# Altium PCB Main.PcbDoc (part 1 of 3)
Units mm, origin at the board's own origin, x right, y up, seen from the top; angles counter-clockwise.
Board outline 75 x 150 mm, 4 copper layers (SIG1, GND1, GND2, SIG2), stack 1.602 mm thick; 218 components, 159 nets, 788 pads, 864 vias.
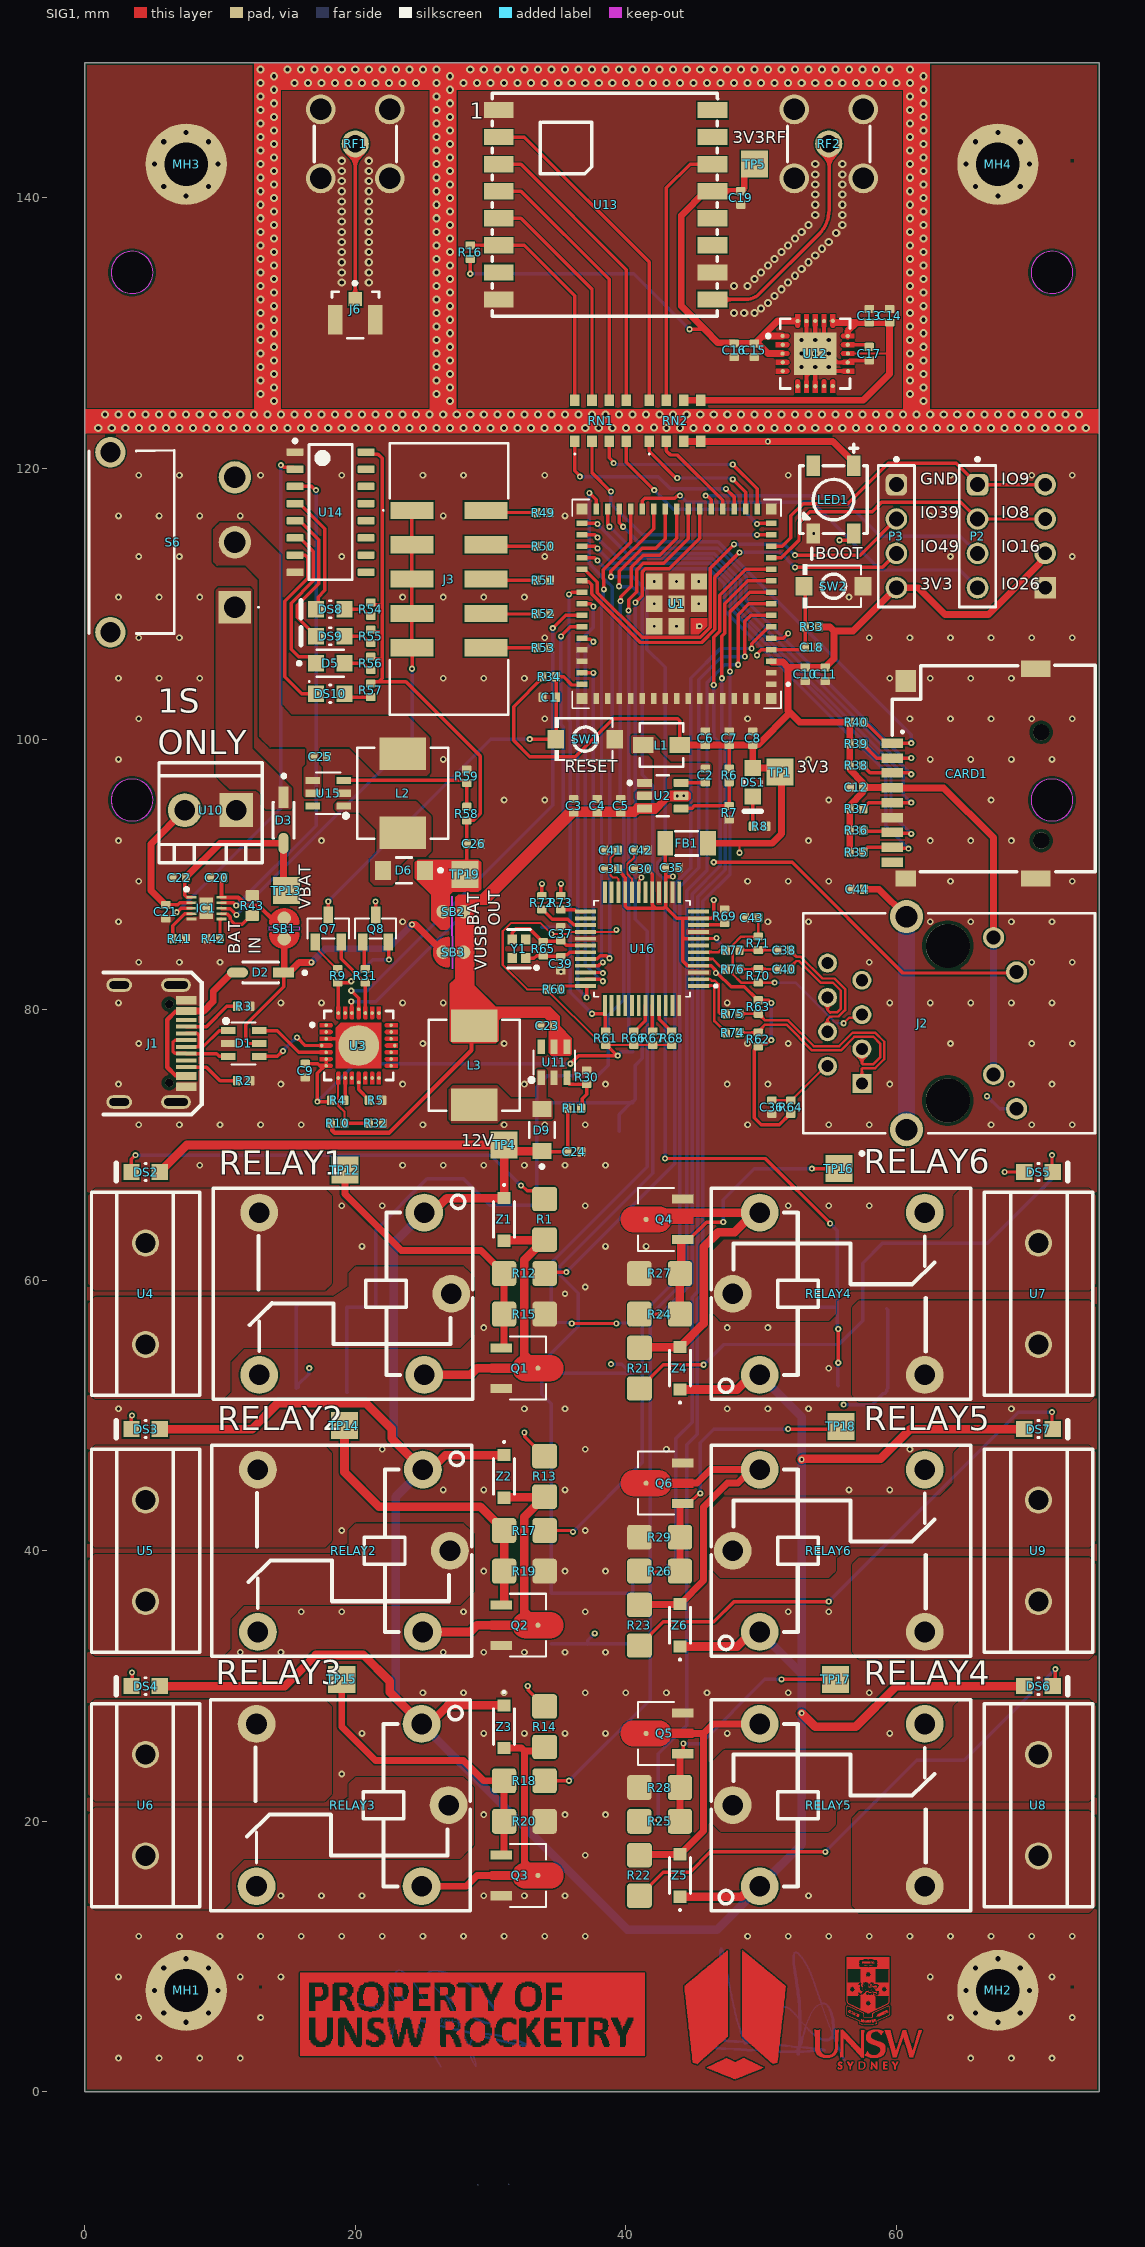
[diagram p0: SIG1 view]
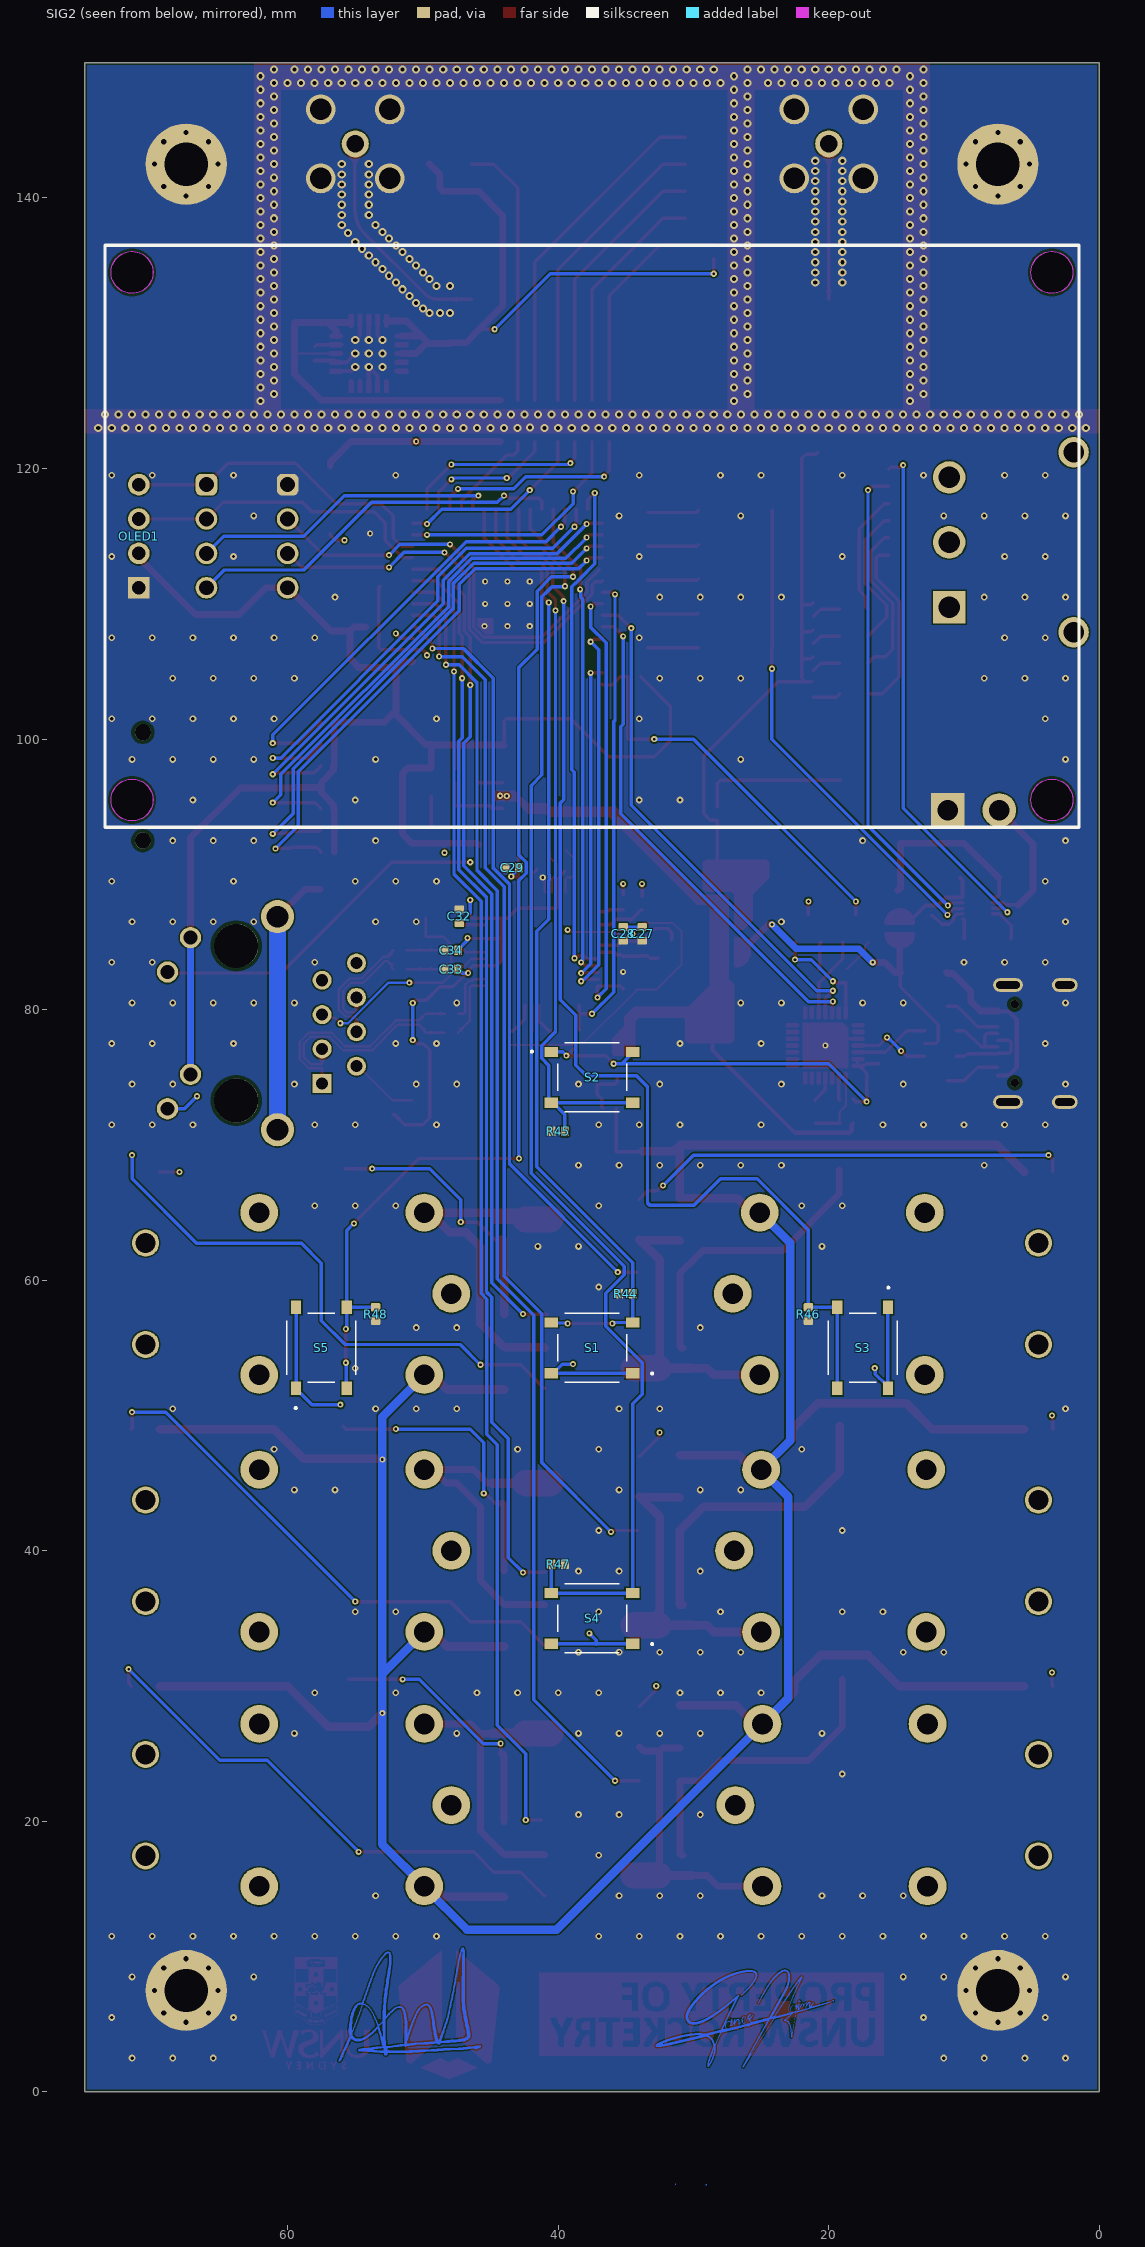
[diagram p1: SIG2 view, seen from below]
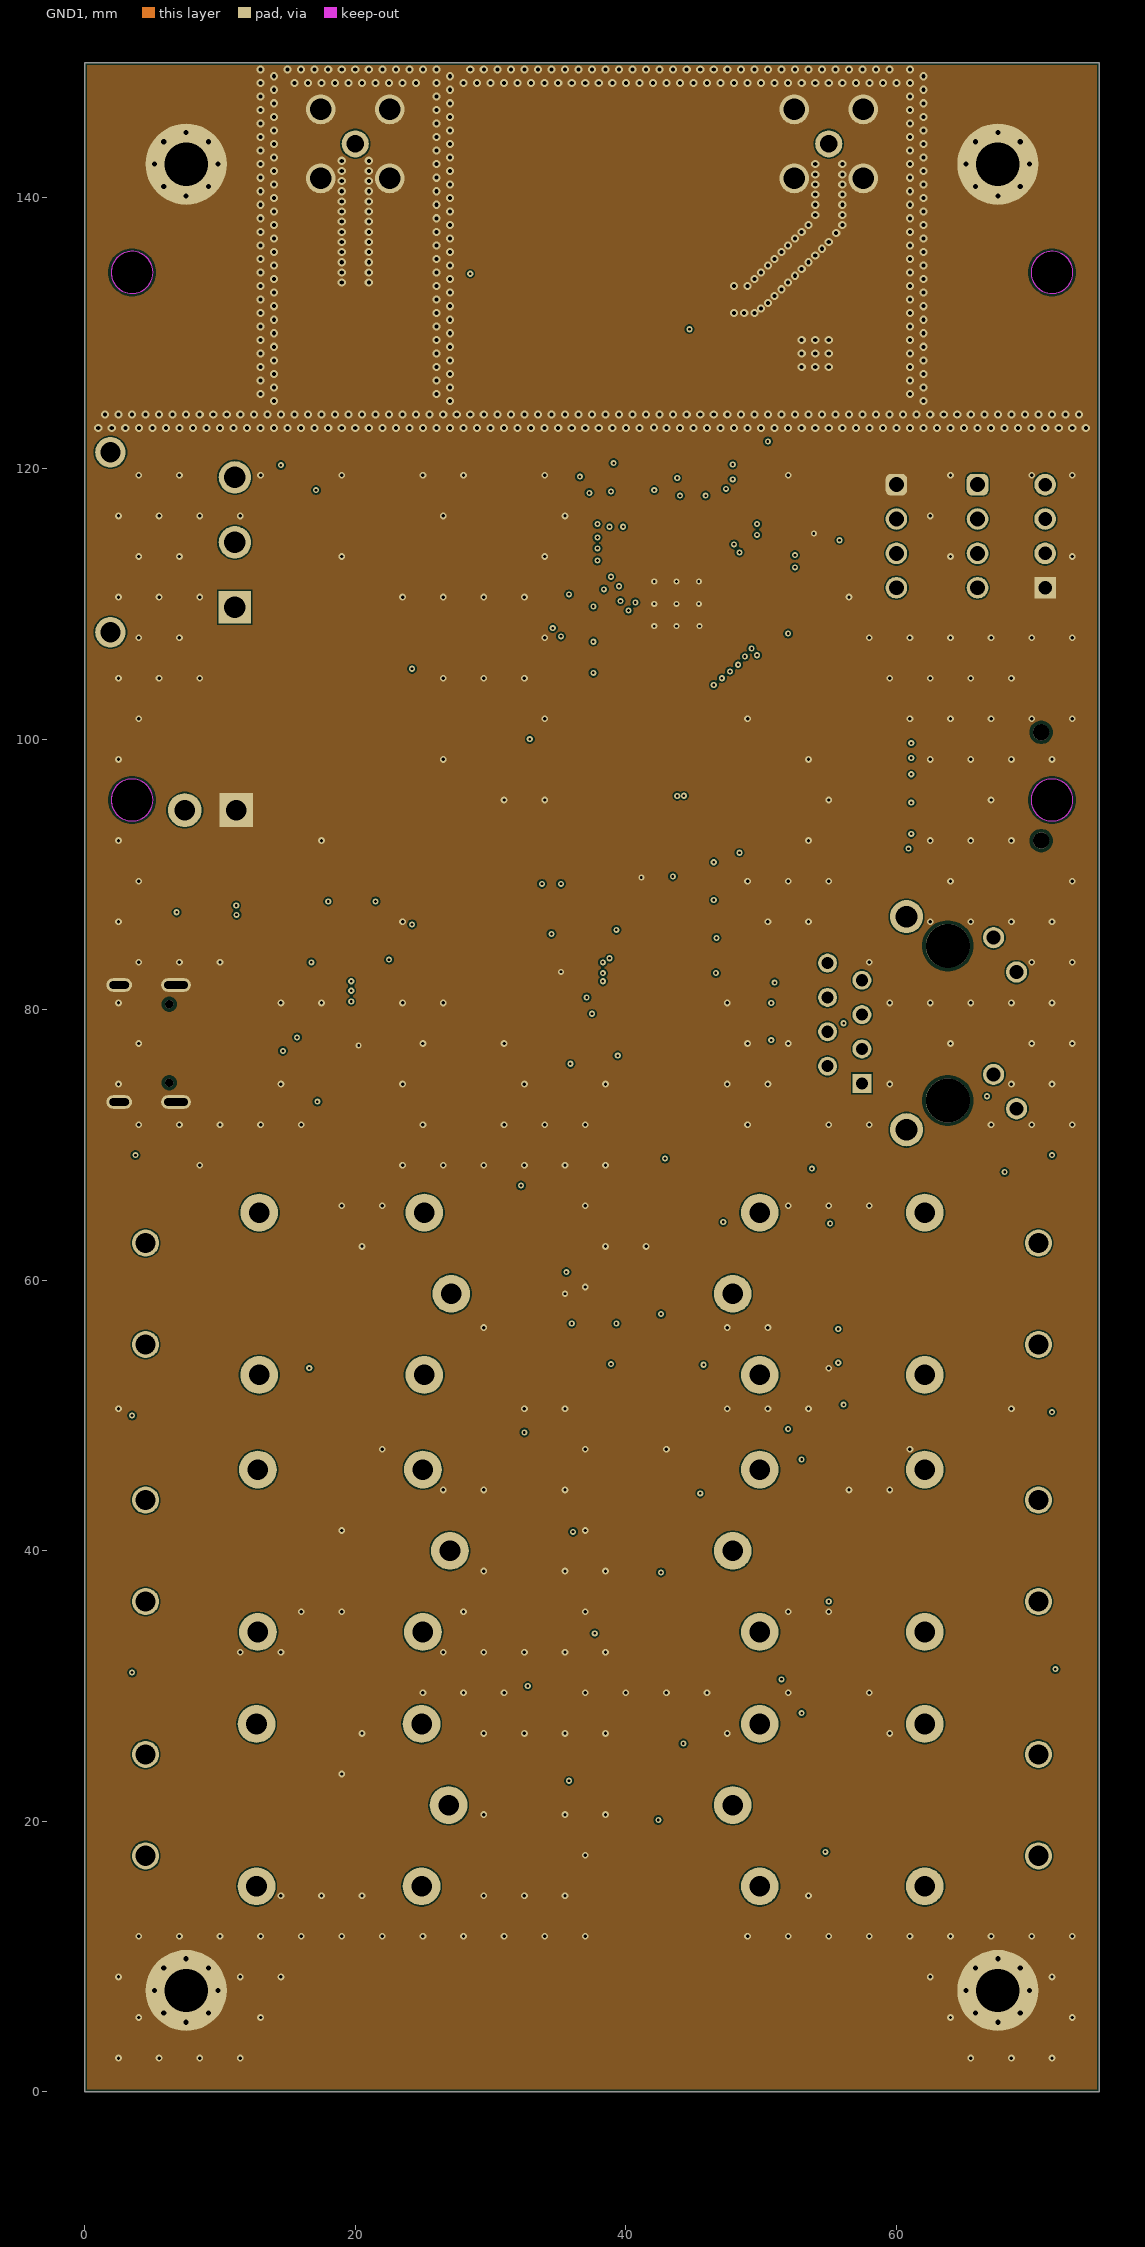
[diagram p2: GND1]
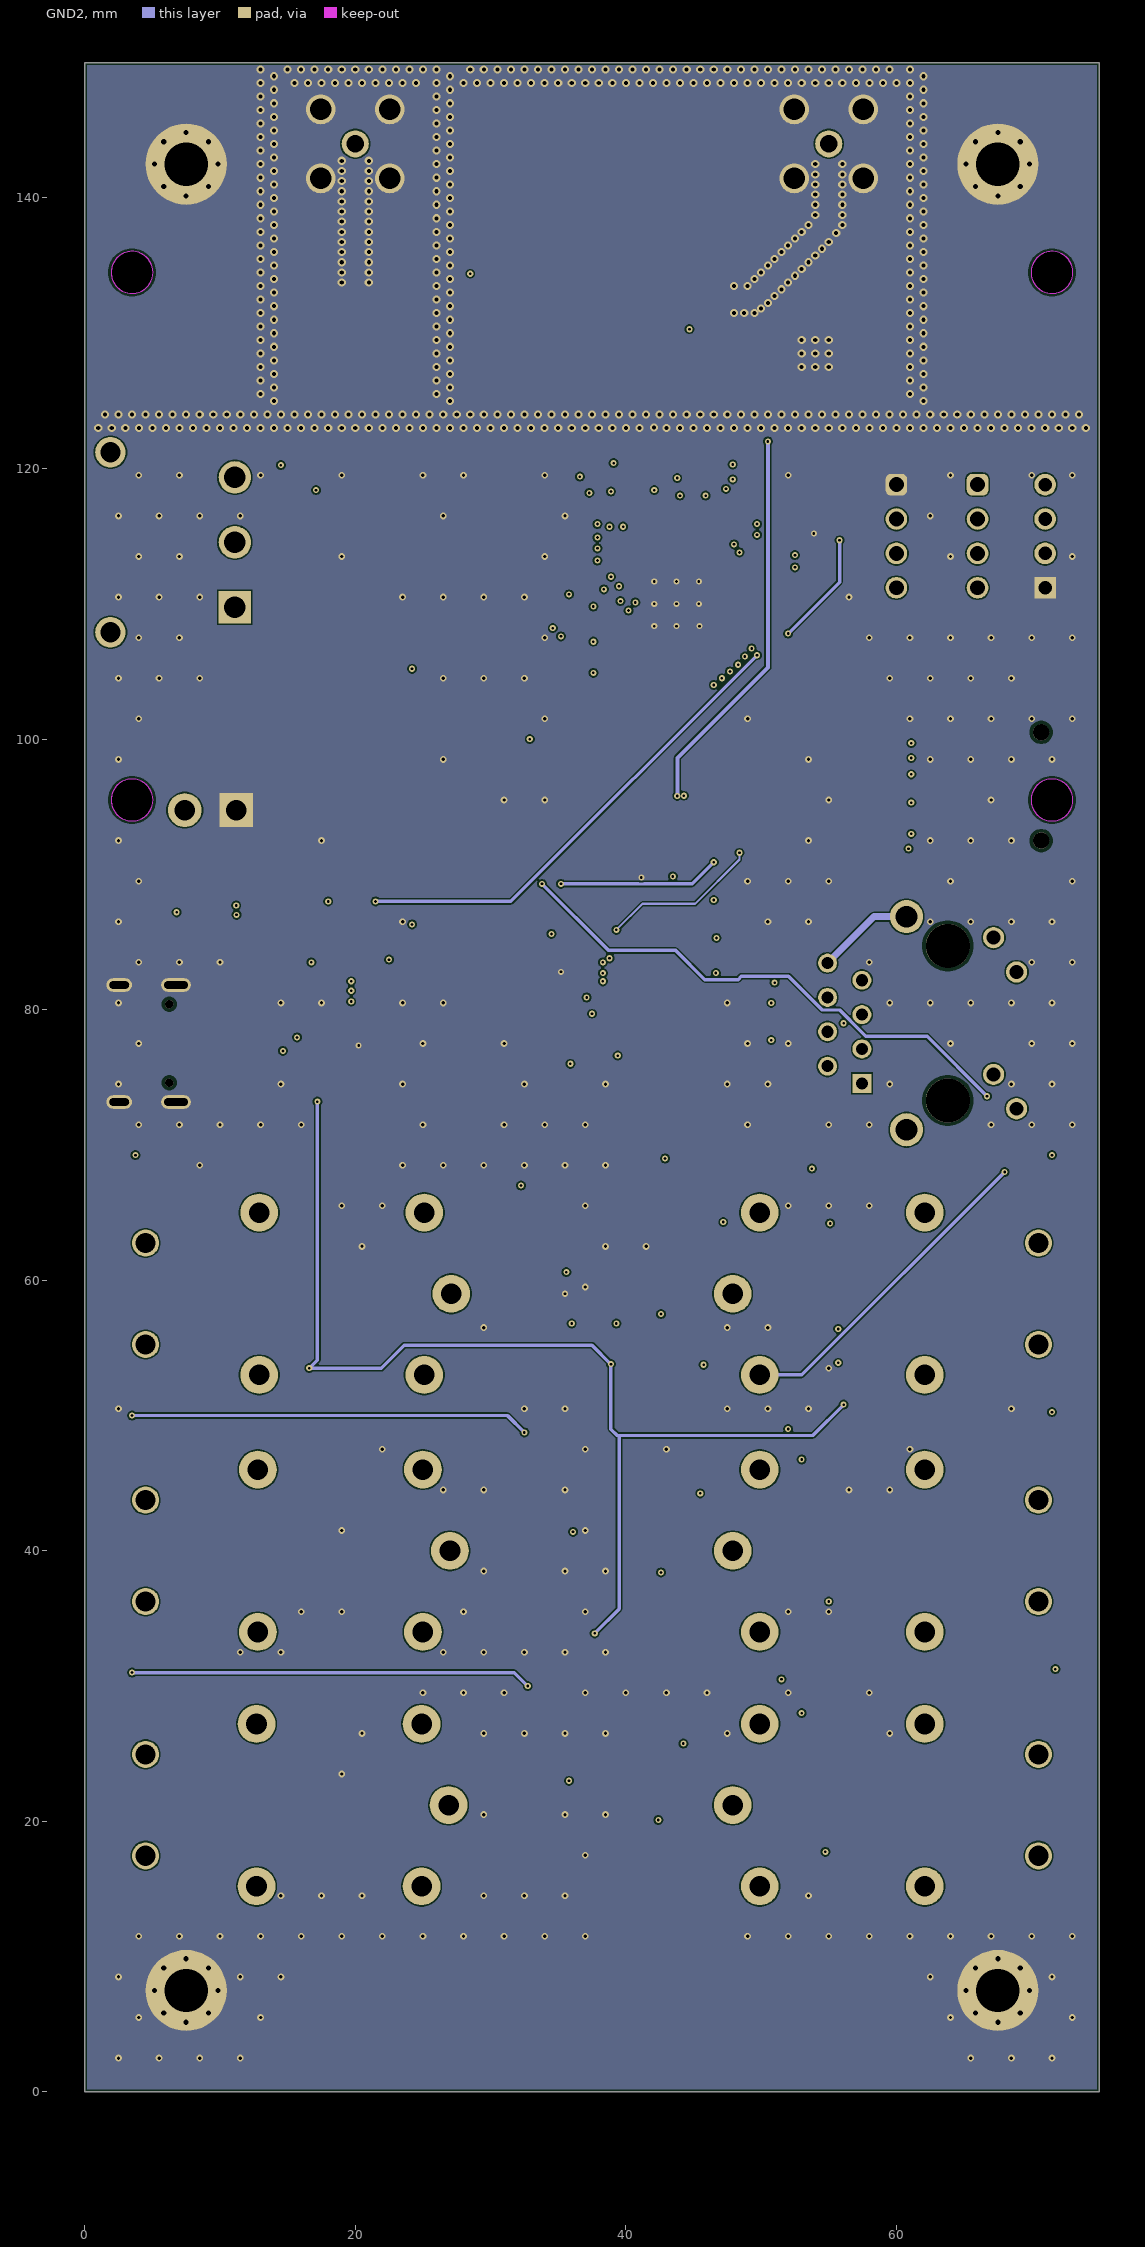
[diagram p3: GND2]
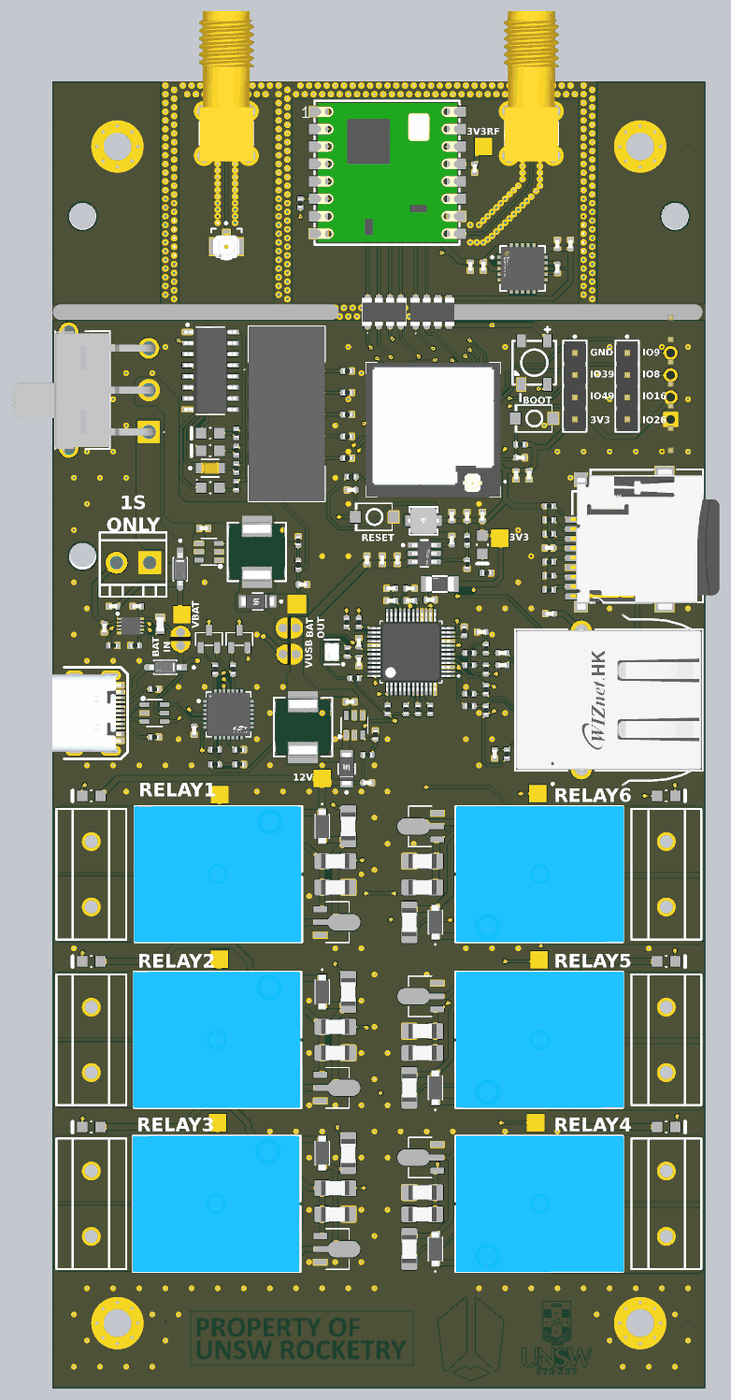
[diagram p6: 3D render of the assembled board from above, using the file's embedded part models]
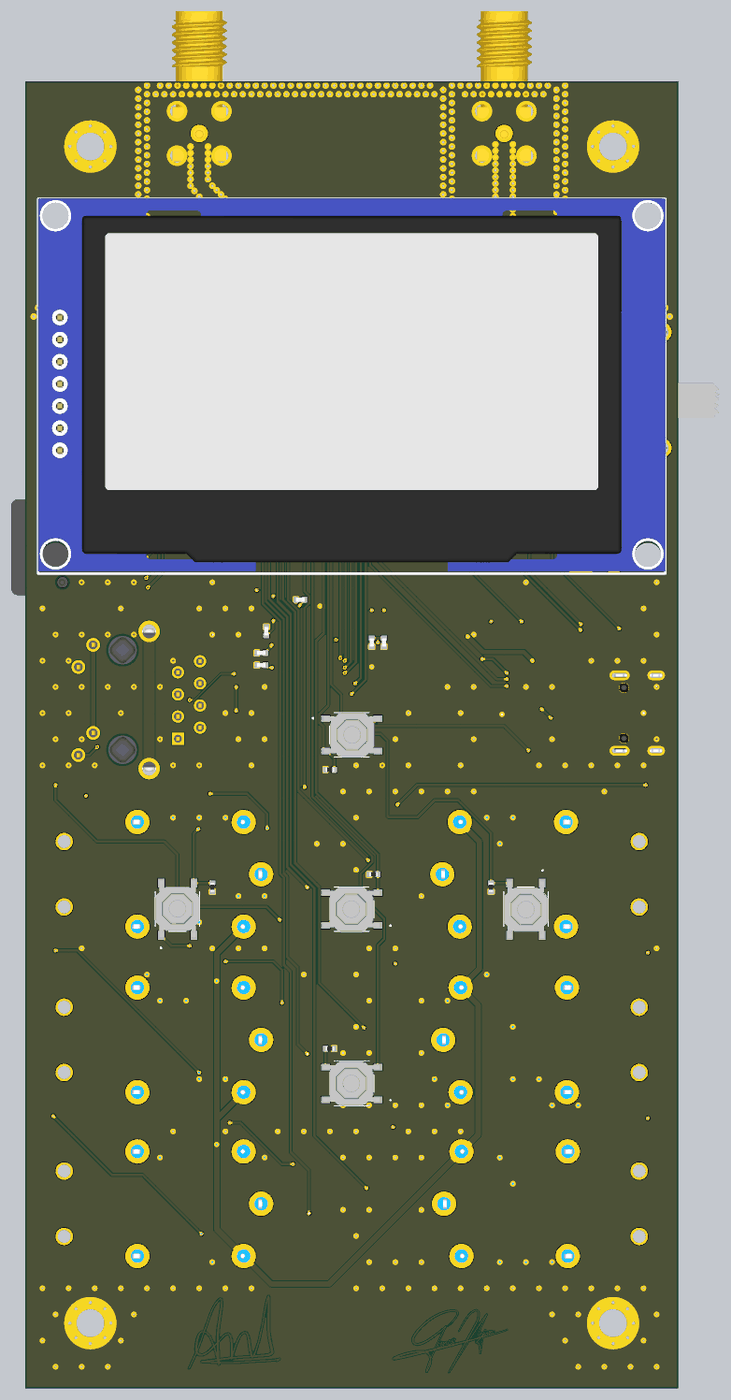
[diagram p7: 3D render of the assembled board from below, using the file's embedded part models]

## Layer stack, top to bottom
Top Solder: solder mask 0.0102, Solder Resist, Dk 3.5
SIG1: signal copper 0.035
Dielectric 2: prepreg 0.2184, PP-023, Dk 4.5
GND1: signal copper 0.0152
Dielectric 1: core 1.065, Core-025, Dk 4.6
GND2: signal copper 0.0152
Dielectric 3: prepreg 0.2184, PP-023, Dk 4.5
SIG2: signal copper 0.035
Bottom Solder: solder mask 0.0102, Solder Resist, Dk 3.5

## Board outline
0,0 75,0 75,150 0,150

## Design rules (kind name [scope] priority, off if disabled: settings)
BoardOutlineClearance [All] p1: gap=0.2 ignorepadtopadclearanceinfootprint=FALSE
Clearance [All] p1: gap=0.102 ignorepadtopadclearanceinfootprint=TRUE except(0: THPad-Via Via-Via Via-Text Via-Hole Fill-Text Region-Region Region-Text Text-Hole; 0.25: Arc-Hole Track-Hole SMDPad-Hole THPad-Hole Fill-Hole Poly-Hole Region-Hole)
ComponentClearance [All] p1: gap=0.102 collisioncheckmode=3 verticalgap=0.102 showdistances=TRUE
DiffPairsRouting EthernetDiffPairsRouting [InDifferentialPair('RX3_D')] p1: maxlimit=0.127 minlimit=0.127 mostfreqgap=0.127 toplayer_minwidth=0.1 toplayer_maxwidth=0.179 toplayer_prefwidth=0.149 midlayer3_minwidth=0.09 midlayer3_maxwidth=0.109 midlayer3_prefwidth=0.091 midlayer4_minwidth=0.09 midlayer4_maxwidth=0.109 midlayer4_prefwidth=0.091 bottomlayer_minwidth=0.1 bottomlayer_maxwidth=0.179 bottomlayer_prefwidth=0.149 impedanceprofiledriven=TRUE impedanceprofileid={46EFF747-144C-4CC2-810A-F8A5687EFA3B} impedanceprofilevalue=100.000000 maxuncoupledlength=12.7
DiffPairsRouting EthernetDiffPairsRouting_4 [InDifferentialPair('RX2_D')] p2: maxlimit=0.127 minlimit=0.127 mostfreqgap=0.127 toplayer_minwidth=0.1 toplayer_maxwidth=0.179 toplayer_prefwidth=0.149 midlayer3_minwidth=0.09 midlayer3_maxwidth=0.109 midlayer3_prefwidth=0.091 midlayer4_minwidth=0.09 midlayer4_maxwidth=0.109 midlayer4_prefwidth=0.091 bottomlayer_minwidth=0.1 bottomlayer_maxwidth=0.179 bottomlayer_prefwidth=0.149 impedanceprofiledriven=TRUE impedanceprofileid={46EFF747-144C-4CC2-810A-F8A5687EFA3B} impedanceprofilevalue=100.000000 maxuncoupledlength=12.7
DiffPairsRouting EthernetDiffPairsRouting_3 [InDifferentialPair('RX_D')] p3: maxlimit=0.127 minlimit=0.127 mostfreqgap=0.127 toplayer_minwidth=0.1 toplayer_maxwidth=0.179 toplayer_prefwidth=0.149 midlayer3_minwidth=0.09 midlayer3_maxwidth=0.109 midlayer3_prefwidth=0.091 midlayer4_minwidth=0.09 midlayer4_maxwidth=0.109 midlayer4_prefwidth=0.091 bottomlayer_minwidth=0.1 bottomlayer_maxwidth=0.179 bottomlayer_prefwidth=0.149 impedanceprofiledriven=TRUE impedanceprofileid={46EFF747-144C-4CC2-810A-F8A5687EFA3B} impedanceprofilevalue=100.000000 maxuncoupledlength=12.7
DiffPairsRouting EthernetDiffPairsRouting_2 [InDifferentialPair('TX2_D')] p4: maxlimit=0.127 minlimit=0.127 mostfreqgap=0.127 toplayer_minwidth=0.1 toplayer_maxwidth=0.179 toplayer_prefwidth=0.149 midlayer3_minwidth=0.09 midlayer3_maxwidth=0.109 midlayer3_prefwidth=0.091 midlayer4_minwidth=0.09 midlayer4_maxwidth=0.109 midlayer4_prefwidth=0.091 bottomlayer_minwidth=0.1 bottomlayer_maxwidth=0.179 bottomlayer_prefwidth=0.149 impedanceprofiledriven=TRUE impedanceprofileid={46EFF747-144C-4CC2-810A-F8A5687EFA3B} impedanceprofilevalue=100.000000 maxuncoupledlength=12.7
DiffPairsRouting EthernetDiffPairsRouting_1 [InDifferentialPair('TX_D')] p5: maxlimit=0.127 minlimit=0.127 mostfreqgap=0.127 toplayer_minwidth=0.1 toplayer_maxwidth=0.179 toplayer_prefwidth=0.149 midlayer3_minwidth=0.09 midlayer3_maxwidth=0.109 midlayer3_prefwidth=0.091 midlayer4_minwidth=0.09 midlayer4_maxwidth=0.109 midlayer4_prefwidth=0.091 bottomlayer_minwidth=0.1 bottomlayer_maxwidth=0.179 bottomlayer_prefwidth=0.149 impedanceprofiledriven=TRUE impedanceprofileid={46EFF747-144C-4CC2-810A-F8A5687EFA3B} impedanceprofilevalue=100.000000 maxuncoupledlength=12.7
DiffPairsRouting USBDiffPairsRouting_1 [InDifferentialPair('USB_D')] p6: maxlimit=0.127 minlimit=0.127 mostfreqgap=0.127 toplayer_minwidth=0.1 toplayer_maxwidth=0.244 toplayer_prefwidth=0.206 midlayer3_minwidth=0.1 midlayer3_maxwidth=0.154 midlayer3_prefwidth=0.129 midlayer4_minwidth=0.1 midlayer4_maxwidth=0.154 midlayer4_prefwidth=0.129 bottomlayer_minwidth=0.1 bottomlayer_maxwidth=0.244 bottomlayer_prefwidth=0.206 impedanceprofiledriven=TRUE impedanceprofileid={07FAFBCA-0246-49CC-B401-6434BAB57CA2} impedanceprofilevalue=90.000000 maxuncoupledlength=12.7
DiffPairsRouting USBDiffPairsRouting [InDifferentialPair('USB2_D')] p7: maxlimit=0.127 minlimit=0.127 mostfreqgap=0.127 toplayer_minwidth=0.1 toplayer_maxwidth=0.244 toplayer_prefwidth=0.206 midlayer3_minwidth=0.1 midlayer3_maxwidth=0.154 midlayer3_prefwidth=0.129 midlayer4_minwidth=0.1 midlayer4_maxwidth=0.154 midlayer4_prefwidth=0.129 bottomlayer_minwidth=0.1 bottomlayer_maxwidth=0.244 bottomlayer_prefwidth=0.206 impedanceprofiledriven=TRUE impedanceprofileid={07FAFBCA-0246-49CC-B401-6434BAB57CA2} impedanceprofilevalue=90.000000 maxuncoupledlength=12.7
Height [All] p1: minheight=0 maxheight=1816.048 prefheight=12.7
HoleSize [All] p1: absolutevalues=TRUE maxlimit=6.3 minlimit=0.2 maxpercent=80.000 minpercent=20.000
HoleToHoleClearance [All] p1: gap=0.25 allowstackedmicrovias=FALSE
MinimumAnnularRing [All] p1: minimumring=0.076
MinimumSolderMaskSliver [All] p1: minsoldermaskwidth=0
PlaneClearance [All] p1: clearance=0.102
PlaneConnect PlaneConnectPowerPads [InPadClass('PowerPads')] p1: planeconnectstyle=Direct reliefexpansion=0.508 reliefentries=4 reliefconductorwidth=0.254 reliefairgap=0.254
PlaneConnect [All] p2: planeconnectstyle=Direct reliefexpansion=0.3 reliefentries=4 reliefconductorwidth=0.102 reliefairgap=0.102
PolygonConnect PolygonConnectPowerPads [All vs (InPadClass('PowerPads'))] p1: connectstyle=Direct reliefconductorwidth=0.254 reliefentries=4 polygonreliefangle="90 Angle" airgapwidth=0.254
PolygonConnect [All] p2: connectstyle=Direct reliefconductorwidth=0.102 reliefentries=4 polygonreliefangle="90 Angle" airgapwidth=0.102
RoutingVias [All] p1: holewidth=0.2 width=0.45 viastyle="Through Hole" minholewidth=0.2 minwidth=0.45 maxholewidth=6.3 maxwidth=6.55
SilkToSilkClearance [All] p1: silktosilkclearance=0
SilkToSolderMaskClearance [IsPad] p1: minsilkscreentomaskgap=0.102 clearancetoexposedcopper=TRUE
SolderMaskExpansion [All] p1: expansion=0.075 istentingtop=FALSE
SupplyNets "Schematic Supply Nets_10" [InNet('+3V3A')] p1: voltage=0.000
SupplyNets "Schematic Supply Nets_9" [InNet('CGND')] p2: voltage=0.000
SupplyNets "Schematic Supply Nets_8" [InNet('+5V')] p3: voltage=0.000
SupplyNets "Schematic Supply Nets_7" [InNet('GND')] p4: voltage=0.000
SupplyNets "Schematic Supply Nets_6" [InNet('+BAT_5V')] p5: voltage=0.000
SupplyNets "Schematic Supply Nets_5" [InNet('+3V3')] p6: voltage=0.000
SupplyNets "Schematic Supply Nets_4" [InNet('+3V3RF')] p7: voltage=0.000
SupplyNets "Schematic Supply Nets_3" [InNet('+12V')] p8: voltage=0.000
SupplyNets "Schematic Supply Nets_2" [InNet('+5V_B')] p9: voltage=0.000
SupplyNets "Schematic Supply Nets_1" [InNet('+VUSB')] p10: voltage=0.000
SupplyNets "Schematic Supply Nets" [InNet('+VBAT')] p11: voltage=0.000
Width Width_1 [InNet('ESP32_RF') And OnLayer('SIG1')] p1: maxlimit=0.378 minlimit=0.1 preferedwidth=0.266 midlayer3_maxwidth=0.276 midlayer3_prefwidth=0.181 midlayer4_maxwidth=0.276 midlayer4_prefwidth=0.181 impedanceprofiledriven=TRUE impedanceprofileid={1FAE33ED-02B0-40F4-93CB-CEF89213BDD9} impedanceprofilevalue=50.000000 minimp=50.000000 maximp=50.000000 favimp=50.000000
Width [InNet('V_RF') And OnLayer('SIG1')] p2: maxlimit=0.378 minlimit=0.1 preferedwidth=0.266 midlayer3_maxwidth=0.276 midlayer3_prefwidth=0.181 midlayer4_maxwidth=0.276 midlayer4_prefwidth=0.181 impedanceprofiledriven=TRUE impedanceprofileid={1FAE33ED-02B0-40F4-93CB-CEF89213BDD9} impedanceprofilevalue=50.000000 minimp=50.000000 maximp=50.000000 favimp=50.000000
20 further rules are at their usual default settings.

## Classes and differential pairs
net class N000-4_[1..6]: ETH_CLK ETH_INTN ETH_MISO ETH_MOSI ETH_NCS ETH_NRST
component class Display: OLED1
component class Ethernet: C27 C28 C29 C30 C31 C32 C33 C34 C35 C36 C37 C38 C39 C40 C41 C42 C43 C44 FB1 J2 R60 R61 R62 R63 R64 R65 R66 R67 R68 R69 R70 R71 R72 R73 R74 R75 R76 R77 U16 Y1
component class "LiPo Charger": C20 C21 C22 C25 C26 D3 D5 D6 DS8 DS9 DS10 IC1 J3 L2 R41 R42 R43 R49 R50 R51 R52 R53 R54 R55 R56 R57 R58 R59 S6 SB1 SB2 SB3 TP13 TP19 U10 U14 U15
component class LoRa: C13 C14 C15 C16 C17 C19 R16 RF2 RN1 RN2 TP5 U12 U13
net class N000-5_[0..5]: CLK CMD D0 D1 D2 D3
component class "SD Card": C12 CARD1 R35 R36 R37 R38 R39 R40
net class N000-1_[2..15]: CS GPIO2 GPIO3 GPIO4 GPIO5 GPIO6 GPIO7 GPIO8 GPIO9 GPIO11 GPIO12 GPIO13 GPIO14 GPIO15
component class "Power Delivery": C23 C24 D9 DS2 DS3 DS4 DS5 DS6 DS7 L3 Q1 Q2 Q3 Q4 Q5 Q6 R1 R11 R12 R13 R14 R15 R17 R18 R19 R20 R21 R22 R23 R24 R25 R26 R27 R28 R29 R30 RELAY1 RELAY2 RELAY3 RELAY4 RELAY5 RELAY6 TP4 TP12 TP14 TP15 TP16 TP17 TP18 U4 U5 U6 U7 U8 U9 U11 Z1 Z2 Z3 Z4 Z5 Z6
component class MCU: C1 C2 C3 C4 C5 C6 C7 C8 C9 C10 C11 C18 D1 D2 DS1 J1 J6 L1 LED1 MH1 MH2 MH3 MH4 P2 P3 Q7 Q8 R2 R3 R4 R5 R6 R7 R8 R9 R10 R31 R32 R33 R34 R44 R45 R46 R47 R48 RF1 S1 S2 S3 S4 S5 SW1 SW2 TP1 U1 U2 U3
differential pair RX3_D: +RX3_D_P -RX3_D_N
differential pair TX_D: +TX_D_P -TX_D_N
differential pair TX2_D: +TX2_D_P -TX2_D_N
differential pair RX_D: +RX_D_P -RX_D_N
differential pair RX2_D: +RX2_D_P -RX2_D_N
differential pair USB_D: +USB_D_P -USB_D_N
differential pair USB2_D: +USB2_D_P -USB2_D_N
